# Altium PCB DemetrioGurgel - PCEIoT.PcbDoc (part 2 of 3) (continued)
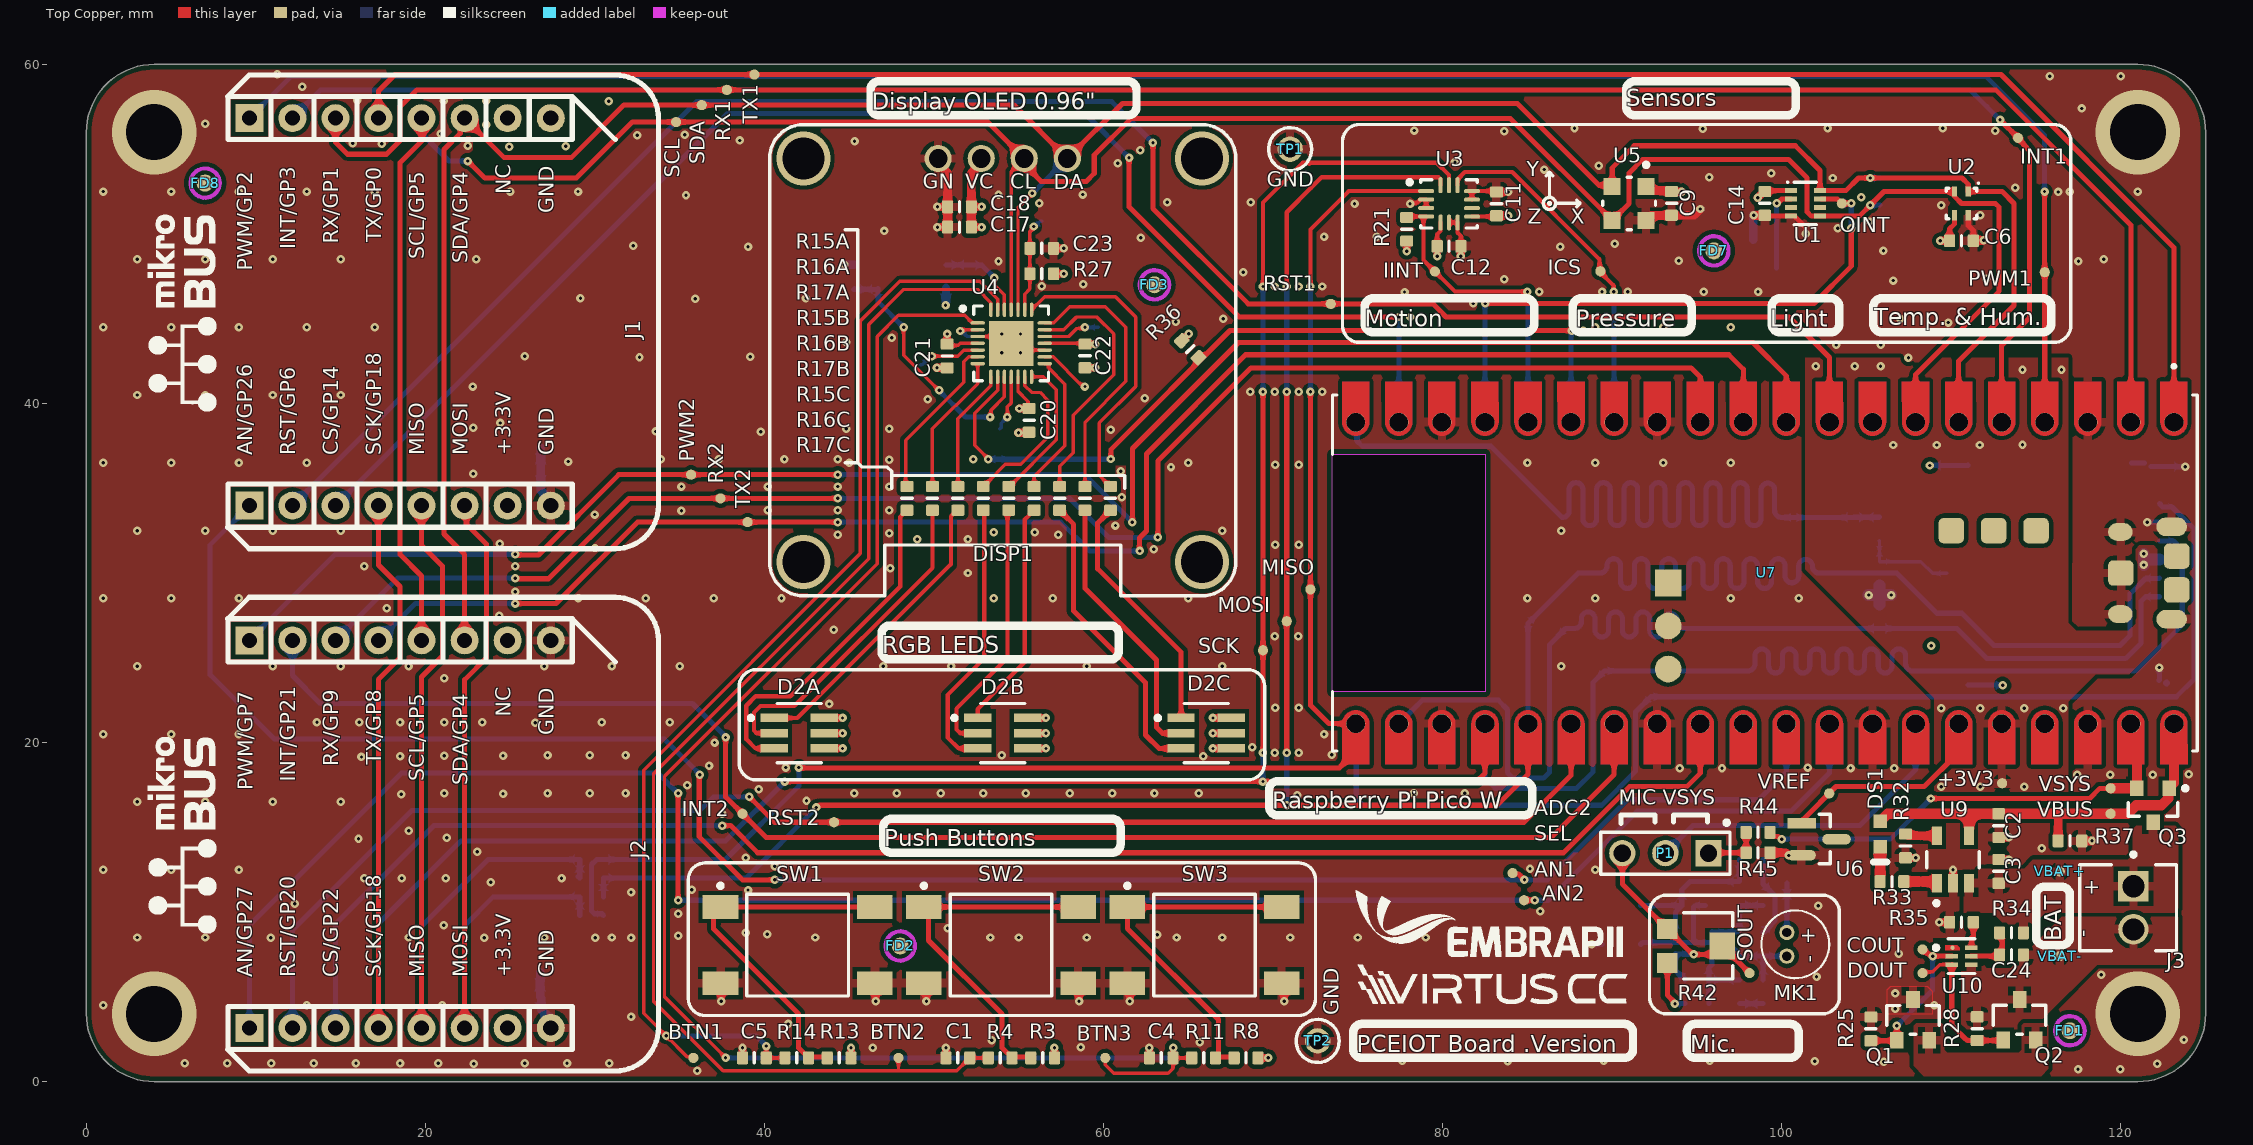
[diagram p0: Top Copper view]
## Nets (pads, with @x,y where several pads share a name; then routed paths per layer and width w, separated by ;. In a path a pad name is that pad's centre, name@x,y a point inside that pad or via, vN(x,y) a via of type N, cw(c..) or ccw(c..) an arc to the next point about the centre after c; other vN are vias at no path point) (continued)
  Top Copper w0.4: v1(37.45,4.75) SW1.3@37.45,5.35 ; C5.1@38.7,1.4 v1(38.7,2) ; v1(46.55,4.75) SW1.4@46.55,5.35 ; v1(49.55,4.75) SW2.3@49.55,5.35 ; v1(50.2,50.4) C17.2@50.8,50.4 ; v1(50.2,51.6) C18.2@50.8,51.6 ; C1.1@50.7,1.4 v1(50.7,2) ; C23.2@57.05,49.15 v1(57.65,49.15) ; v1(58.55,4.75) SW2.4@58.55,5.7 ; C22.2@58.904,42.104 v1(59.504,42.104) ; v1(61.55,4.75) SW3.3@61.55,5.35 ; C4.1@62.7,1.4 v1(62.7,2) ; v1@70.65,4.75 SW3.4@70.65,5.35 ; C11.1@83.175,52.475 v1(83.875,52.475) ; R32.1@107.3,13.2 v1(107.9,13.2) ; v1(109.299,9.4) R35.1@109.9,9.4 ; U9.2@110.1,11.9 v1(110.1,12.5)
  Top Copper w0.5: v1(50.171,42.1) C21.2@50.771,42.1 ; DISP1.1@50.24,54.45 50.24,54.152 50.8,53.592 C17.2@50.8,50.4 ; v1(54.977,38.277) C20.2@55.577,38.277 ; v1(81.075,48.675) C12.1@81.075,49.275 ; U5.4@92,50.8 92.3,51.1 C9.2@93.5,51.1 94.824,51.1 v1(95.195,51.471) ; v1(98.35,51.1) 98.867,51.1 C14.2@98.997,51.1 C14.2@99.047,51.05 ; R45.1@99.3,13.5 100.245,13.5 v1(100.405,13.34) U6.2@101.055,13.34 ; C6.2@111.22,49.52 C6.2@111.3,49.6 111.355,49.6 111.38,49.625 v1(111.925,49.625) ; C3.2@112.801,13.1 v1(113.4,13.1) ; C2.2@112.8,14.4 v1(113.4,14.4) ; R37.2@117.7,14.2 v1(118.3,14.2) ; U7.D@119.985,27.59 U7.D@119.97,27.575 U7.D@120.319,27.575
  Bottom Copper w0.3: v1(88.8,8.1) L2.2@89.4,8.1 ; v1(108.737,36.341) 108.747,36.35 110.973,36.35 SKT1.12@110.989,36.366 ; SKT1.13@110.995,23.4 111.007,23.388 113.012,23.388 v1(113.025,23.375) ; SKT1.11@120.624,36.5 SKT1.11@121.4,36.5 ; v1(121.547,33) SKT1.6@122.275,33 ; SKT1.11@121.781,36.274 v1@123.786,36.274 ; SKT1.14@122.254,23.676 122.275,23.697 v1(122.275,24.425)
  Bottom Copper w0.4: SKT1.14@122.7,23.51 SKT1.14@122.71,23.52
  Bottom Copper w0.5: C27.2@26.762,6.439 C28.2@26.762,5.003 26.843,4.922 26.843,4.229 27.39,3.681 J2.8@27.39,3.37 ; C26.2@26.8,37.4 C25.2@26.8,36.1 26.8,34.871 27.39,34.281 J1.8@27.39,33.97 ; v1(44.7,48.175) R31.2@45.3,48.175 ; v1(50.675,45.8) 50.703,45.828 R30.2@50.703,46.837 ; R20.2@98.31,49.648 98.31,51.14 v1(98.35,51.1)
  other v1: 36.025,0.65 117.475,0.725 119.975,0.725 22.85,1.05 122.15,1.05 5.8,1.075 8.3,1.075 10.9,1.075 13.4,1.075 15.9,1.075 18.5,1.075 20.75,1.075 25.85,1.075 28.35,1.075 30.85,1.075 106.008,1.171 83.825,1.2 101.95,1.2 77.625,1.225 89.487,1.237 95.75,1.225 46.375,2 58.65,2.025 65.665,2.315 53.4,2.451 123.725,2.475 41.4,3.401 32.125,3.825 106.7,4.3 1,4.5 13,4.5 21,4.5 109,4.5 70.65,4.75 106.7,5.2 102.051,6.175 118.85,6.3 106.9,7.55 10.875,8.475 23.475,8.475 30.025,8.475 32.125,8.475 3,8.5 7,8.5 19,8.5 27,8.5 31,8.5 43,8.5 53.325,8.5 55,8.5 59,8.5 64.3,8.5 67,8.5 71,8.5 75,8.5 79,8.5 83,8.5 34.9,8.6 63.174,8.674 63.174,8.674 40.149,8.699 38.9,8.776 50.812,9.037 21.075,9.225 34.9,9.9 85.75,10.05 102.15,10.375 12.3,10.5 32.125,11.175 39.025,11.3 35.7,11.325 23.85,11.75 16.4,12 18.6,12 21.2,12 28.025,12 1,12.5 5,12.5 9,12.5 89,12.5 85.15,12.55 40.6,12.7 38.9,13.2 23.05,13.55 115.325,13.775 16.05,14.325 21.25,14.375 19.025,14.8 37.5,15.8 3,16.5 7,16.5 11,16.5 15,16.5 42.475,16.575 71.425,16.9 18.575,16.95 24.575,16.975 21.1,17 27.2,17 29.7,17 31.8,17 45.3,17 47.8,17 50.4,17 52.9,17 55.4,17 58,17 60.5,17 63,17 65.6,17 78.3,17 81.3,17 69.775,17.1 39.65,17.25 35.45,17.475 117.425,18.1 119.375,18.1 121.875,18.1 124,18.125 93.975,18.475 96.475,18.475 104.055,18.496 106.635,18.492 41.25,18.525 101.525,18.525 36.725,18.625 16.225,19.15 18.5,19.2 65.875,19.2 21.1,19.225 24.575,19.225 27.2,19.25 29.7,19.25 31.8,19.25 54,19.25 73.45,19.275 70.1,19.4 71.5,19.4 68.775,19.725 37.05,20 1,20.5 5,20.5 9,20.5 73,20.5 26.475,21.175 13.6,21.2 16.1,21.2 18.5,21.2 21.1,21.2 23.35,21.2 30.4,21.2 34.4,21.2 70.125,22.05 71.5,22.05 43.825,22.275 21.1,23.8 3,24.5 11,24.5 15,24.5 19,24.5 27,24.5 31,24.5 35,24.5 47,24.5 51,24.5 59,24.5 67,24.5 87,24.5 108.825,25.7 70.1,26.275 71.475,26.275 44.075,26.65 24.35,27.475 17.725,27.925 1,28.5 5,28.5 9,28.5 29,28.5 33,28.5 37,28.5 41,28.5 53.53,28.5 57,28.5 65,28.5 85,28.5 89,28.5 97,28.5 101,28.5 25.3,28.9 52,30 47.423,30.275 16.4,30.4 25.3,30.4 62.95,31.4 30,31.475 70.125,31.675 71.5,31.675 24.375,31.725 49,32 52,32 44.325,32.25 57.325,32.25 47.35,32.35 53.53,32.4 55.93,32.4 3,32.5 7,32.5 11,32.5 15,32.5 67,32.5 87,32.5 60.7,32.8 29.975,33.45 35.1,33.675 40.2,33.7 44.325,33.7 47.35,33.7 61.075,34.475 35.1,35.1 40.2,35.1 44.325,35.1 47.35,35.1 22.825,35.85 61,36 63.975,36.25 123.799,36.261 70.125,36.375 71.5,36.375 1,36.5 5,36.5 9,36.5 13,36.5 45,36.5 65,36.5 85,36.5 89,36.5 93,36.5 97,36.5 28.425,36.575 47.35,36.675 33.875,36.7 37.3,36.7 41.175,36.7 44.325,36.7 52.3,36.7 39.775,38.325 33.575,38.35 60.425,38.45 44.825,38.5 47.35,38.5 22.825,38.575 24.409,38.85 49.625,40.25 62.425,40.3 3,40.5 7,40.5 11,40.5 15,40.5 68.65,40.7 70.1,40.7 71.5,40.7 72.9,40.7 22.8,41 107.475,42.7 32.625,42.725 39.15,42.75 25.85,42.775 54,43 55.1,43 103.225,43.45 105.85,43.475 44.825,43.6 47.5,43.875 54,44.1 55.1,44.1 88.3,44.3 1,44.5 5,44.5 9,44.5 13,44.5 17,44.5 89,44.5 93,44.5 97,44.5 109.825,44.775 64.25,44.825 67.05,45 107,45 78.1,45.1 81.8,45.9 35.918,46.168 42.443,46.193 29.143,46.218 77.75,46.575 85.7,46.6 89.4,46.6 90.925,46.6 95.4,46.6 98.6,46.6 70.1,46.9 71.5,46.9 72.9,46.9 56.35,46.925 58.8,47.025 106.57,47.252 83.625,47.325 112.075,47.35 68.245,47.738 53.8,48.4 117.5,48.4 93.913,48.419 3,48.5 7,48.5 11,48.5 15,48.5 23,48.5 119,48.5 106,49 39.025,49.25 86.925,49.25 32.25,49.3 90.145,49.411 62.2,49.775 73,49.825 76.1,49.825 47.05,50.175 103.297,50.325 105.175,50.725 111.7,51.1 109.4,51.7 74.8,51.775 56.2,51.8 63.75,51.875 68.675,51.875 104.7,52.175 35.368,52.293 53.8,52.325 58.775,52.325 116.3,52.475 1,52.5 5,52.5 9,52.5 13,52.5 17,52.5 25,52.5 29,52.5 117,52.5 121,52.5 113.775,52.725 102.997,53.3 95.714,53.351 99.37,53.581 86,53.8 89.2,54.025 60.825,54.175 80.725,54.225 62.165,54.941 24.95,55.15 28.275,55.175 22.5,55.2 17.425,55.325 15.7,55.35 45.309,55.463 38.534,55.513 32.5,55.825 35.3,55.85 20.9,55.9 83.633,56.067 112.6,56.075 78.325,56.1 95.35,56.2 87.775,56.225 102.7,56.225 109.5,56.225 23.575,56.45 7,56.5 117.7,57.4 30.8,57.825 21.075,57.85 23.575,57.85 15.975,57.875 12.725,58.675 115.8,59.3 120,59.3 11.25,59.425
  other v2: 4,4 121,4 4,56 121,56
GP0/MB1_TX: J1.13 TX1.1 U7.1 | length 122.4
  Top Copper w0.3: J1.13@17.23,56.83 17.23,58.43 18.2,59.4 TX1.1@39.4,59.4 39.746,59.4 112.925,59.4 123.132,49.193 U7.1@123.132,38.893
GP1/MB1_RX: J1.14 RX1.1 U7.2 | length 125.1
  Top Copper w0.3: J1.14@14.69,56.83 14.69,55.41 15.4,54.7 17.7,54.7 18.5,55.5 18.5,57.5 19.5,58.5 RX1.1@37.778,58.5 ; RX1.1@37.981,58.5 112.625,58.5 120.592,50.533 U7.2@120.592,38.893
GP2/MB1_PWM: J1.16 PWM1.1 U7.4 | length 125.3
  Top Copper w0.3: v1(115.5,52.5) 115.506,52.494 115.506,47.749 PWM1.1@115.512,47.743 U7.4@115.512,38.893
  Bottom Copper w0.3: J1.16@9.61,56.83 12.08,59.3 112.025,59.3 115.5,55.825 v1(115.5,52.5)
GP3/MB1_INT: INT1.1 J1.15 U7.5 | length 121.4
  Top Copper w0.3: v1(112.875,56.725) INT1.1@113.934,55.666 114.35,55.201 114.625,54.894 114.625,45.075 112.972,43.422 U7.5@112.972,38.893
  Bottom Copper w0.3: J1.15@12.15,56.83 13.82,58.5 111.1,58.5 112.093,57.507 v1(112.875,56.725)
GP4/I2C0_SDA: DISP1.4 J1.11 J2.11 R23.1 SDA.1 U1.8 U2.1 U4.24 U5.2 U7.6 | length 159.7
  Top Copper w0.2: U4.24@54.95,45.525 54.95,51.54 55.8,52.39 v1(55.8,52.4)
  Top Copper w0.3: J2.11@22.31,26.03 22.31,31.09 21.1,32.3 21.1,54.982 22.052,55.934 22.052,56.572 J1.11@22.31,56.83 24.64,54.5 28.6,54.5 31.7,57.6 SDA.1@36.294,57.6 54.71,57.6 DISP1.4@57.86,54.45 61.11,57.7 84.4,57.7 89.226,52.874 89.926,52.874 U5.2@90,52.8 90,53.9 91.3,55.2 100.797,55.2 102.257,53.74 U1.8@102.257,52.55 ; U1.8@102.357,52.55 103.775,52.55 104.525,53.3 v1(105.225,53.3) 110.625,53.3 111,52.925 U2.1@111,52.5 113,52.5 113.7,51.8 113.7,45.775 110.432,42.507 U7.6@110.432,38.893
  Bottom Copper w0.3: v1(55.8,52.4) 55.805,52.4 57.855,54.45 DISP1.4@57.86,54.45 ; v1(105.225,53.3) R23.1@105.797,53.3 ; U7.6@110.4,38.925 U7.6@110.432,38.893
GP5/I2C0_SCL: DISP1.3 J1.12 J2.12 R22.1 SCL.1 U1.5 U2.2 U4.25 U5.3 U7.7 | length 165.4
  Top Copper w0.2: U4.25@54.55,45.525 54.55,53.68 DISP1.3@55.32,54.45
  Top Copper w0.3: J2.12@19.77,26.03 19.77,29.83 18.5,31.1 18.5,54.2 19.8,55.5 19.8,56.8 J1.12@19.77,56.83 ; v1(22.5,54.3) 23.5,53.3 28.9,53.3 32.2,56.6 SCL.1@34.783,56.6 53.17,56.6 DISP1.3@55.32,54.45 55.32,54.098 56.318,53.1 58.975,53.1 59.45,53.575 59.45,54.65 61.6,56.8 84,56.8 U5.3@90,50.8 91,51.8 91,53.6 91.8,54.4 100.397,54.4 101.497,53.3 101.497,51.3 101.747,51.05 102.357,51.05 104.575,51.05 106.025,52.5 U2.2@110.2,52.5 110.2,52.2 110.6,51.8 112.6,51.8 112.825,51.575 112.825,46.625 107.892,41.692 U7.7@107.892,38.893
  Bottom Copper w0.3: J1.12@19.77,56.83 19.919,56.681 19.919,55.775 21.394,54.3 v1(22.5,54.3) ; v1(105.225,51.7) R22.1@105.797,51.7
GP6/MB1_RST: J1.2 RST1.1 U7.9 | length 112.9
  Top Copper w0.3: v1(62.911,55.367) 62.911,51.489 68.525,45.875 79.425,45.875 80.2,45.1 100.425,45.1 102.812,42.713 U7.9@102.812,38.893
  Bottom Copper w0.3: J1.2@12.15,33.97 35.98,57.8 60.478,57.8 v1(62.911,55.367)
GP7/MB2_PWM: J2.16 PWM2.1 U7.10 | length 106.4
  Top Copper w0.3: v1(25.3,31.1) 25.338,31.062 26.662,31.062 31.4,35.8 v1(44.325,35.8) ; v1(61.7,33) 61.7,37.35 67.95,43.6 98.3,43.6 100.272,41.628 U7.10@100.272,38.893
  Bottom Copper w0.3: J2.16@9.61,26.03 14.68,31.1 v1(25.3,31.1) ; v1(44.325,35.8) 58.9,35.8 v1(61.7,33)
GP8/MB2_TX: J2.13 TX2.1 U7.11 | length 95.5
  Top Copper w0.3: v1(25.3,28.2) 27.7,28.2 32.5,33 v1(44.325,33) ; v1(62.125,31.3) 62.113,31.312 62.113,32.064 62.525,32.476 62.525,37.025 68.375,42.875 96.875,42.875 97.732,42.018 U7.11@97.732,38.893
  Bottom Copper w0.3: J2.13@17.23,26.03 19.4,28.2 v1(25.3,28.2) ; v1(44.325,33) 57.475,33 59.175,31.3 v1(62.125,31.3)
GP9/MB2_RX: J2.14 RX2.1 U7.12 | length 94.6
  Top Copper w0.3: v1(25.3,29.7) 25.338,29.662 27.262,29.662 32,34.4 v1(44.325,34.4) ; v1(63.2,32.1) 63.2,36.6 68.7,42.1 94.65,42.1 95.2,41.55 95.2,38.9 U7.12@95.192,38.893
  Bottom Copper w0.3: J2.14@14.69,26.03 18.36,29.7 v1(25.3,29.7) ; v1(44.325,34.4) 58,34.4 60.3,32.1 v1(63.2,32.1) ; U7.12@95.192,38.893 U7.12@95.2,38.9
GP10/MOT_CSn: ICS.1 U3.12 U7.14 | length 21
  Top Copper w0.25: U3.12@80.875,52.875 80.875,53.225 81.3,53.65 84.1,53.65 89.249,48.501 89.249,47.8 90.083,46.967 90.083,46.617 v1(90.1,46.6)
  Bottom Copper w0.3: U7.14@90.112,38.893 v1@90.112,46.588
GP11/SX_INTn: R36.1 SINT.1 U4.9 U7.15 | length 49.1
  Top Copper w0.2: v1(53.2,36.7) 53.2,36.741 52.4,37.541 52.4,39.425 53.75,40.775 U4.9@53.75,41.575
  Top Copper w0.3: v1(60.425,36.725) 60.425,37.275 67.45,44.3 v1(87.6,44.3)
  Bottom Copper w0.3: v1(53.2,36.7) 53.212,36.712 SINT.1@53.795,36.712 60.413,36.712 v1(60.425,36.725) ; U7.15@87.572,38.893 87.572,44.272 v1(87.6,44.3)
GP12/ICM_INT1: IINT.1 R21.2 U3.4 U7.16 | length 18.5
  Top Copper w0.25: R21.2@77.825,51.025 U3.4@78.875,51.025 ; v1(85,46.6) 80.725,46.6 79.9,47.425 78.875,48.45 U3.4@78.875,51.025 ; U3.4@78.875,51.025 U3.4@79.025,51.025 U3.4@78.875,51.025
  Bottom Copper w0.3: v1(85,46.6) 85.032,46.568 U7.16@85.032,38.893
GP13/OPT_INT: OINT.1 R12.2 U1.7 U7.17 | length 35.8
  Top Copper w0.3: v1(82.5,45.9) 101.9,45.9 104.097,48.097 v1(104.097,50.325) ; U1.7@102.357,52.05 103.293,52.05 OINT.1@103.543,51.8 v1(104.097,51.8)
  Bottom Copper w0.3: U7.17@82.492,38.893 82.492,45.892 v1(82.5,45.9) ; R12.2@103.397,51.8 v1(104.097,51.8) v1(104.097,50.325)
GP14/MB1_CS: J1.3 U7.19 | length 85.2
  Top Copper w0.3: v1(61.5,54.5) 61.5,51.6 68,45.1 v1(77.4,45.1)
  Bottom Copper w0.3: J1.3@14.69,33.97 37.82,57.1 58.9,57.1 v1(61.5,54.5) ; v1(77.4,45.1) 77.412,45.088 U7.19@77.412,38.893
GP16/SPI0_RX: MISO.1 NT4.1 R5.1 R7.1 U3.1 U7.21 | length 92.6
  Top Copper w0.25: v1(72.2,46.9) 72.2,50.261 74.464,52.525 U3.1@79.025,52.525
  Top Copper w0.3: v1(42.025,18.525) 42.05,18.5 73.9,18.5 74.872,19.472 U7.21@74.872,21.113 73.287,21.113 72.2,22.2 v1(72.2,40.7)
  Bottom Copper w0.3: R7.1@30.5,9.8 30.4,9.9 29.976,9.9 29.8,10.076 29.8,12.8 30.1,13.1 R5.1@30.5,13.1 37.7,13.1 42.025,17.425 v1(42.025,18.525) ; v1(72.2,40.7) v1(72.2,46.9)
GP17/SPI0_CSn: NT1.1 U7.22
GP18/SPI0_SCK: J1.4 J2.4 NT2.1 SCK.1 U3.13 U7.24 | length 156.4
  Top Copper w0.25: v1(69.4,46.9) 69.4,51.85 71.751,54.201 72.044,54.201 72.122,54.122 ; 72.2,54.2 79.65,54.2 80.375,53.475 U3.13@80.375,52.875
  Top Copper w0.3: J2.4@17.23,3.17 17.23,23.73 18.5,25 18.5,29.2 17.23,30.47 J1.4@17.23,33.97 ; v1(41.2,17.7) v1(69.4,17.7) 82,17.7 82.492,18.192 U7.24@82.492,21.113 ; v1(69.4,19.4) 69.4,25.22 v1(69.4,40.7)
  Bottom Copper w0.3: J2.4@17.23,3.57 17.23,9.33 22.1,14.2 37.7,14.2 v1(41.2,17.7) ; v1(69.4,17.7) v1(69.4,19.4) ; v1(69.4,40.7) v1(69.4,46.9)
GP19/SPI0_TX: MOSI.1 NT3.1 R6.1 R9.1 U3.14 U7.25 | length 106.5
  Top Copper w0.25: v1(70.8,46.9) 70.8,51.281 72.249,52.729 72.869,53.35 79.75,53.35 79.875,53.225 U3.14@79.875,52.875
  Top Copper w0.3: v1(43.048,16.171) 43.102,16.171 43.231,16.3 v1(70.8,16.3) 83.2,16.3 85.032,18.132 U7.25@85.032,21.113 ; v1(70.8,19.4) 70.8,26.894 v1(70.8,40.7)
  Bottom Copper w0.3: R9.1@30.5,10.9 R6.1@30.5,12 38.9,12 43.048,16.148 v1(43.048,16.171) ; v1(70.8,16.3) v1(70.8,19.4) ; v1(70.8,40.7) v1(70.8,46.9) ; NT3.1@85.027,21.118 U7.25@85.032,21.113
GP20/MB2_RST: J2.2 RST2.1 U7.26 | length 88.9
  Top Copper w0.3: v1(39.1,16.8) 40.6,15.3 RST2.1@44.1,15.3 84.8,15.3 87.572,18.072 U7.26@87.572,21.113
  Bottom Copper w0.3: J2.2@12.15,3.57 12.15,8.95 19.2,16 36.2,16 37,16.8 v1(39.1,16.8)
GP21/MB2_INT: INT2.1 J2.15 U7.27 | length 90.6
  Top Copper w0.3: v1(37.7,20.3) 37.7,16.8 INT2.1@38.7,15.8 40.1,14.4 86.4,14.4 90.112,18.112 U7.27@90.112,21.113
  Bottom Copper w0.3: J2.15@12.15,26.03 12.15,23.95 13.8,22.3 35.754,22.3 37.7,20.354 v1(37.7,20.3)
GP22/MB2_CS: J2.3 U7.29 | length 94.2
  Top Copper w0.3: v1(37.5,15.1) 38,15.1 39.6,13.5 87.125,13.5 91.025,17.4 94.4,17.4 95.192,18.192 U7.29@95.192,21.113
  Bottom Copper w0.3: J2.3@14.69,3.57 14.69,9.29 20.5,15.1 v1(37.5,15.1)
GP26/MB1_ADC: AN1.1 J1.1 U7.31 | length 119.5
  Top Copper w0.3: v1(36.175,18.1) 36.15,18.075 36.15,14.45 38.7,11.9 v1(40.6,11.9) ; AN1.1@84.124,12.3 84.181,12.243 84.481,12.243 v1(84.824,11.9) ; 100.272,19.072 U7.31@100.272,21.113
  Bottom Copper w0.3: J1.1@9.61,33.97 7.3,31.66 7.3,24 11.1,20.2 34.1,20.2 36.175,18.125 v1(36.175,18.1) ; v1(40.6,11.9) v1(84.824,11.9) 86.175,11.9 90.9,16.625 98.625,16.625 100.272,18.272 U7.31@100.272,21.113
GP27/MB2_ADC: AN2.1 J2.1 U7.32 | length 117.4
  Top Copper w0.3: v1(34.9,10.7) v1(34.9,17) ; AN2.1@84.8,10.7 v1(85.424,10.7) ; 102.812,19.742 U7.32@102.812,21.113
  Bottom Copper w0.3: J2.1@9.61,3.57 9.61,9.21 18.6,18.2 33.7,18.2 v1(34.9,17) ; v1(34.9,10.7) v1(85.424,10.7) 86.225,10.7 91.475,15.95 100.55,15.95 102.812,18.212 U7.32@102.812,21.113
GP28/ADC2: P1.2 U7.34 | length 19.5
  Bottom Copper w0.3: P1.2@93.135,13.475 94.76,15.1 104.6,15.1 107.892,18.392 U7.34@107.892,21.113
IO3: IO3.1 U4.2 | length 1.8
  Top Copper w0.2: v1(51.55,44.275) 51.631,44.275 51.706,44.35 U4.2@52.575,44.35
  Bottom Copper w0.2: v1(51.55,44.275) 51.607,44.218 51.699,44.218 51.967,43.95 IO3.1@52.075,43.95 IO3.1@51.956,43.95
IO4: IO4.1 U4.5 | length 3.7
  Top Copper w0.2: v1(49.869,42.789) 51.389,42.789 51.75,43.15 U4.5@52.575,43.15
  Bottom Copper w0.2: IO4.1@49.225,42.275 49.29,42.275 49.804,42.789 v1(49.869,42.789)
IO11: IO11.1 U4.16 | length 3.1
  Top Copper w0.2: U4.16@56.525,42.75 57.02,42.75 58.693,41.077 58.823,41.077 v1(58.9,41)
IO12: IO12.1 U4.19 | length 3.4
  Top Copper w0.2: U4.19@56.525,43.95 57.95,43.95 58.423,44.423 58.823,44.423 v1(58.9,44.5)
  Bottom Copper w0.2: v1(58.9,44.5) 58.909,44.491 59.687,44.491 IO12.1@59.696,44.483
LED_BA: R17A.2 U4.8 | length 7.3
  Top Copper w0.2: R17A.2@51.404,35.104 51.404,39.104 53.35,41.05 U4.8@53.35,41.575
LED_BB: R17B.2 U4.15 | length 8.6
  Top Copper w0.2: R17B.2@55.904,35.104 55.904,35.704 57.704,37.504 57.704,41.146 56.758,42.092 56.758,42.35 U4.15@56.513,42.35
LED_BC: R17C.2 U4.22 | length 18.1
  Top Copper w0.2: U4.22@55.75,45.525 56.525,46.3 60.7,46.3 61.9,45.1 61.9,41 59.75,38.85 59.75,35.757 R17C.2@60.404,35.104
LED_GA: R16A.2 U4.7 | length 8.4
  Top Copper w0.2: R16A.2@49.904,35.104 49.904,38.504 52.575,41.175 U4.7@52.575,42.35
LED_GB: R16B.2 U4.14 | length 8.7
  Top Copper w0.2: R16B.2@54.404,35.104 54.453,35.104 57.204,37.854 57.204,40.804 56.432,41.575 U4.14@55.75,41.575
LED_GC: R16C.2 U4.21 | length 16.1
  Top Copper w0.2: U4.21@56.525,44.75 57.05,44.75 58,45.7 60.1,45.7 61.3,44.5 61.3,41.3 58.904,38.904 R16C.2@58.904,35.104
LED_RA: R15A.2 U4.6 | length 9.8
  Top Copper w0.2: R15A.2@48.404,35.104 48.319,35.189 48.319,37.819 51.75,41.25 51.75,42.45 52.05,42.75 U4.6@52.575,42.75
LED_RB: R15B.2 U4.13 | length 9.5
  Top Copper w0.2: R15B.2@52.904,35.104 52.953,35.104 53.184,35.334 53.184,35.384 54.204,36.404 55.104,36.404 56.704,38.004 56.704,40.196 56.25,40.65 55.75,40.65 55.35,41.05 U4.13@55.35,41.575
LED_RC: R15C.2 U4.20 | length 15.1
  Top Copper w0.2: U4.20@56.525,44.35 57.65,44.35 58.4,45.1 59.6,45.1 60.6,44.1 60.6,41.7 58.204,39.304 58.204,37.104 57.404,36.304 R15C.2@57.404,35.104
MB1_MISO: J1.5 J2.5 R5.2 R6.2 | length 50
  Top Copper w0.3: J2.5@19.77,3.17 19.77,23.87 21,25.1 21,30.4 19.77,31.63 J1.5@19.77,33.97
  Bottom Copper w0.3: J2.5@19.77,3.17 19.77,9.17 23.7,13.1 R5.2@29.1,13.1 R6.2@29.1,12 R6.2@29,12.1
MB1_MOSI: J1.6 J2.6 R7.2 R9.2 | length 46.5
  Top Copper w0.3: J2.6@22.31,3.17 22.31,23.71 23.6,25 23.6,31.7 22.422,32.878 22.422,33.858 J1.6@22.31,33.97
  Bottom Copper w0.3: J2.6@22.31,3.17 22.31,9.21 24,10.9 R9.2@29.1,10.9 R7.2@29.1,9.8
MIC_OUT: C30.2 P1.3 R42.1 R42.2 SOUT.1 U8.4 | length 14.9
  Top Copper w0.3: P1.3@90.595,13.475 90.595,11.655 R42.1@93.25,9 94.75,7.5 96,7.5 R42.2@96.5,8 ; R42.2@96.5,8.05 R42.2@96.5,8 ; SOUT.1@98.1,6.4 R42.2@96.5,8
  Bottom Copper w0.3: C30.2@94.3,6 94.3,6.05 94.12,6.23 94.07,6.23 93.725,6.575 U8.4@93.725,7.55 93.75,7.525 94.775,7.525 v1(94.8,7.5)
NetC7_2: C7.2 R1.1 R38.2 | length 4.9
  Bottom Copper w0.3: C7.2@98.9,8.8 98.95,8.8 99.18,9.03 99.18,9.08 99.6,9.5 99.6,10.95 98.9,11.65 R38.2@98.9,11.7 R1.1@98.9,13.1
NetC23_1: C23.1 R27.1 SRST.1 U4.23 | length 5.7
  Top Copper w0.2: U4.23@55.35,45.525 55.35,46.451 55.65,46.751 R27.1@55.65,47.65 C23.1@55.65,49.15 55.65,50.124 55.884,50.357 v1(55.884,50.438)
  Bottom Copper w0.2: v1(55.884,50.438) 55.961,50.438 56.273,50.75 SRST.1@56.35,50.75
NetC24_2: C24.2 R34.1 U10.5 | length 2.8
  Top Copper w0.3: U10.5@111.175,7.4 113,7.4 R34.1@113,8.4
NetC29_1: C29.1 R39.1 R40.2 U8.1 | length 4.6
  Bottom Copper w0.3: U8.1@95.875,8.85 95.9,8.825 97.475,8.825 R40.2@97.5,8.8 R39.1@97.5,10.4 C29.1@98.9,10.4
NetC29_2: C29.2 MK1.P R38.1 | length 2.9
  Bottom Copper w0.3: MK1.P@100.3,8.8 C29.2@100.3,10.4 R38.1@100.3,11.7
NetC30_1: C30.1 R41.2 R43.1 U8.3 | length 4.8
  Bottom Copper w0.3: R43.1@95.7,4.6 95.7,6.7 95.875,6.875 U8.3@95.875,7.55 ; C30.1@95.7,6 R41.2@97.5,6
NetC31_2: C31.2 R41.1 | length 1.4
  Bottom Copper w0.3: R41.1@97.5,4.6 C31.2@98.9,4.6
NetCOUT_1: COUT.1 Q1.1 R25.2 U10.2 | length 9.3
  Top Copper w0.3: R25.2@105.254,2.41 106.759,2.41 Q1.1@106.79,2.441 v1(106.79,3.29) ; COUT.1@108.3,7.8 108.381,7.8 108.743,7.438 108.862,7.438 v1(108.9,7.4) U10.2@110.025,7.4
  Bottom Copper w0.3: v1(106.79,3.29) 108.9,5.4 v1(108.9,7.4)
NetD2A_1: D2A.1 R17A.1 | length 17.6
  Top Copper w0.254: D2A.1@40.575,21.45 41.925,21.45 43.6,23.125 51,30.525 51,33.35 51.354,33.704 R17A.1@51.404,33.704
NetD2A_2: D2A.2 R16A.1 | length 19.8
  Top Copper w0.254: D2A.2@40.575,20.55 39.539,20.55 39.379,20.71 39.379,21.766 39.763,22.15 41.75,22.15 49.904,30.304 R16A.1@49.904,33.704
NetD2A_3: D2A.3 R15A.1 | length 20.5
  Top Copper w0.254: D2A.3@40.575,19.65 39.475,19.65 38.925,20.2 38.925,22.175 39.475,22.725 41.525,22.725 48,29.2 48,33.3 48.151,33.451 48.151,33.5 48.354,33.704 R15A.1@48.404,33.704
NetD2B_1: D2B.1 R17B.1 | length 13.7
  Top Copper w0.254: D2B.1@52.575,21.45 52.575,21.972 55.353,24.75 55.353,33.153 55.651,33.451 55.651,33.5 55.854,33.704 R17B.1@55.904,33.704
NetD2B_2: D2B.2 R16B.1 | length 15.5
  Top Copper w0.254: D2B.2@52.575,20.55 51.55,20.55 51.325,20.775 51.325,22 54.33,25.005 54.33,33.629 R16B.1@54.404,33.704
NetD2B_3: D2B.3 R15B.1 | length 16.4
  Top Copper w0.254: D2B.3@52.575,19.65 51.45,19.65 50.8,20.3 50.8,22.8 52.953,24.953 52.953,33.654 R15B.1@52.904,33.704
NetD2C_1: D2C.1 R17C.1 | length 14.6
  Top Copper w0.3: R17C.1@60.404,33.704 60.354,33.704 60.174,33.523 60.174,33.474 59.65,32.95 59.65,30.25 64.575,25.325 D2C.1@64.575,21.45
NetD2C_2: D2C.2 R16C.1 | length 16.1
  Top Copper w0.3: R16C.1@58.904,33.704 58.904,29.096 63.125,24.875 63.125,20.9 63.475,20.55 D2C.2@64.575,20.55
NetD2C_3: D2C.3 R15C.1 | length 17.8
  Top Copper w0.3: R15C.1@57.404,33.704 57.453,33.704 57.634,33.523 57.634,33.474 58.236,32.871 58.236,27.764 62.475,23.525 62.475,20.45 63.275,19.65 D2C.3@64.575,19.65
NetDOUT_1: DOUT.1 Q2.1 R28.2 U10.3 | length 8.9
  Top Copper w0.2: DOUT.1@108.3,6.4 108.375,6.475 108.9,6.475 109.325,6.9 U10.3@110.025,6.9
  Top Copper w0.3: U10.3@110.025,6.9 110.025,3.447 ccw(c110.325,3.447) 110.113,3.235 110.835,2.512 ccw(c111.047,2.725) 111.047,2.425 R28.2@111.525,2.425 113.05,2.425 Q2.1@113.075,2.45
NetDS1_2: DS1.2 R33.2 | length 2.1
  Top Copper w0.6: R33.2@105.8,11.8 DS1.2@105.8,13.85
NetOSCIO_1: OSCIO.1 U4.11 | length 3.4
  Top Copper w0.2: v1(54.325,39.2) 54.325,39.803 54.55,40.028 U4.11@54.55,41.575
  Bottom Copper w0.2: OSCIO.1@53.875,38.5 53.952,38.577 53.952,38.827 v1(54.325,39.2)
NetQ1_2: Q1.2 Q2.2
NetR3_1: R3.1 R4.1 SW2.1 SW2.2 | length 21.1
  Top Copper w0.3: SW2.1@49.4,10.1 49.674,9.826 49.674,8.326 54,4 54,2 54.37,1.63 54.42,1.63 54.6,1.45 R4.1@54.6,1.4 ; SW2.1@49.4,10.3 SW2.2@58.5,10.3 ; R4.1@54.65,1.45 R3.1@55.75,1.45
NetR8_1: R8.1 R11.1 SW3.1 SW3.2 | length 21.3
  Top Copper w0.3: R11.1@66.6,1.4 66.775,1.575 66.775,3.658 61.4,9.033 SW3.1@61.4,10.3 SW3.2@70.5,10.3 ; R11.1@66.775,1.45 R8.1@67.75,1.45
NetR10_2: R10.2 R20.1 U1.2 | length 4.7
  Top Copper w0.3: v1(99.697,51.8) 99.751,51.8 100.001,52.05 U1.2@100.537,52.05
  Bottom Copper w0.3: R10.2@99.697,48 v1(99.697,51.8)
NetR13_1: R13.1 R14.1 SW1.1 SW1.2 | length 21.7
  Top Copper w0.3: SW1.1@37.7,10.3 SW1.2@46.5,10.3 ; SW1.1@37.75,10.3 SW1.1@37.4,10.3 37,9.9 37,9 42,4 42,2 42.37,1.63 42.42,1.63 42.6,1.45 R14.1@42.6,1.4 ; R14.1@42.65,1.45 R13.1@43.75,1.45
NetR18_1: R18.1 R26.2 SKT1.9 | length 5.5
  Bottom Copper w0.2: R26.2@105.75,31.9 105.762,31.887 105.762,30.688 R18.1@105.775,30.675 108.211,30.675 108.911,29.975 SKT1.9@109.735,29.975
NetR32_2: R32.2 U9.5 | length 1.9
  Top Copper w0.5: R32.2@107.3,14.6 107.35,14.6 107.45,14.5 U9.5@109.15,14.5
NetR33_1: R33.1 U9.1 | length 2
  Top Copper w0.6: R33.1@107.2,11.8 109.15,11.8 U9.1@109.15,11.7
NetR35_2: R35.2 U10.6 | length 1.6
  Top Copper w0.3: U10.6@111.175,7.9 111.2,7.925 111.2,8.5 111.3,8.6 R35.2@111.3,9.4
NetR42_3: R42.3 R43.2 | length 3.2
  Top Copper w0.3: R42.3@93.25,7 93.25,5.104 93.7,4.654 v1(93.7,4.6)
  Bottom Copper w0.3: v1(93.7,4.6) R43.2@94.3,4.6
NetSKT1_1: SKT1.1
NetSKT1_8: SKT1.8
SX15_ADDR0: R19.2 R30.1 U4.26 | length 5.3
  Top Copper w0.2: v1(53.55,47.425) 53.56,47.415 53.56,47.007 54.15,46.417 U4.26@54.15,45.525
  Bottom Copper w0.3: R30.1@50.7,48.175 R19.2@52.1,48.175 52.119,48.156 52.819,48.156 v1@53.531,47.444
SX15_ADDR1: R24.2 R31.1 U4.10 | length 15.3
  Top Copper w0.2: v1(48.2,44.5) 48.2,42.85 50.275,40.775 v1(50.3,40.775) ; v1(53.3,39.2) 53.357,39.257 53.357,39.607 54.15,40.4 U4.10@54.15,41.575
  Bottom Copper w0.3: R31.1@45.258,46.735 45.3,46.735 R24.2@46.7,46.735 ; R24.2@46.7,46.775 46.7,46 v1(48.2,44.5) ; v1(50.3,40.775) 50.3,40.75 51.85,39.2 v1(53.3,39.2)
VBAT+: C3.1 J3.1 Q3.3 R34.2 U9.3 VBAT+.1
VBAT-: C24.1 J3.2 Q2.3 R28.1 U10.4 VBAT-.1
VBUS: C2.1 DS1.1 Q3.1 R37.1 U7.40 U9.4 VBUS.1 | length 25
  Top Copper w0.5: R37.1@116.3,14.2 116.3,15.8
  Top Copper w0.6: DS1.1@105.8,15.35 106.25,15.8 111.05,15.8 ; U9.4@111.05,14.5 111.05,15.8 ; U7.40@123.132,21.113 123.132,17.632 122.85,17.35 Q3.1@122.85,17.3 122.8,17.25 122.8,16.701 122.399,16.3 120.9,16.3 120.4,15.8 VBUS.1@119.4,15.8 116.3,15.8 113.2,15.8 111.05,15.8
VREF: U6.1 U7.35 VREF.1 | length 12.9
  Top Copper w0.3: U6.1@100.943,15.143 100.943,15.148 101.285,15.49 101.29,15.49 103.201,17.401 107.834,17.401 108.401,17.401 110.3,19.3 110.3,20.98 U7.35@110.432,21.113
VSYS: Q3.2 R44.2 U7.39 VSYS.1 | length 27.1
  Top Copper w0.3: R44.2@99.3,14.7 99.3,14.65 99.48,14.47 99.776,14.47 99.946,14.3 v1(100,14.3) ; v1(108.8,16.7) 118.162,16.7 118.762,17.3 VSYS.1@119.4,17.3
  Top Copper w0.6: VSYS.1@119.4,17.3 120.925,17.3 Q3.2@120.95,17.275 ; U7.39@120.592,21.113 120.95,20.755 Q3.2@120.95,17.3
  Bottom Copper w0.3: v1(100,14.3) 106.4,14.3 v1(108.8,16.7)
VSYS_SENSE: P1.1 R44.1 R45.2 | length 4
  Top Copper w0.3: P1.1@95.1,13.52 95.08,13.5 R45.2@97.9,13.5 R44.1@97.9,14.7
pads on no net: FD1.0 FD2.0 FD3.0 FD4.0 FD5.0 FD6.0 FD7.0 FD8.0 J1.10 J2.10 U1.3 U1.6 U3.9 U6.3 U7.30 U7.37 U7.E U7.G U7.TP2 U7.TP3 U7.TP4 U7.TP5 U7.TP6 U10.1
copper on no net:
  other v3: 42.3,30.65 65.8,30.65 42.3,54.45 65.8,54.45

## Polygon pours and split planes (outlines as drawn)
+3V3 on Bottom Copper "Bottom Copper-+3V3" (solid, pour order 25): 23.4,33.1 24.5,32 28.5,32 33.9,37.4 58.65,37.4 62.077,40.827 62.798,40.827 67.579,36.046 67.579,23.254 66.05,21.725 44.475,21.725 44.275,21.525 44.275,19.575 44.475,19.375 68.025,19.375 69.5,20.85 69.5,38.025 68.975,38.55 68.975,47.4 95.6,47.4 101.4,41.6 101.4,36.775 116.9,36.775 116.9,51.3 110.2,58 91,58 39.425,58 23.4,41.975
GND on Bottom Copper "g" (solid, remove dead copper, pour order 30): 0,0 125,0 125,60 0,60
+3V3 on Bottom Copper "+3V3_L04_P029" (solid, pour order 29): 23.4,0 23.4,6.4 24.5,7.5 85.9,7.5 86.8,8.4 86.8,10.2 88.3,11.7 90.9,11.7 90.9,9.2 90.9,3.6 94.1,3.6 109,18.5 109,22.799 116.9,22.8 116.9,15.559 105.9,4.543 105.9,0.045 67.5,0
GND on Top Copper "GND_L01_P028" (solid, remove dead copper, pour order 28): 0,0 125,0 125,60 0,60
+3V3 on Top Copper "+3V3_L01_P024" (solid, pour order 24): 109,16.4 109,22.625 101.4,30.225 101.4,42.7 116.9,42.7 116.9,34.05 116.898,27.052 117.375,26.581 120.48,26.627 120.866,27.018 120.884,31.409 121.101,31.625 121.93,31.625 122.152,31.402 122.147,26.873 122.157,25.688 120.505,24.025 118.526,24.027 116.9,22.398 116.9,16.4
VBAT+ on Top Copper "VBAT+_L01_P019" (solid, pour order 19): 110.725,12.55 114.289,12.55 114.8,13.1 120.4,13.1 120.7,13.4 120.7,14.9 120.9,15.1 123.2,15.1 123.4,14.9 123.4,10.225 123.15,9.975 115.55,9.975 114.65,9.075 114.65,8.05 114.15,8.05 114.15,9.275 113.141,9.275 112.442,9.975 110.725,9.975
GND on Top Copper "GND_L01_P026" (solid, pour order 26): 108.9,4 108.9,5.3 108.6,5.6 106.4,5.6 106.2,5.4 106.2,4
NetQ1_2 on Top Copper "NETQ1_2_L01_P018" (solid, pour order 18): 107.775,3.3 107.775,0.925 108.375,0.325 115.3,0.325 115.722,0.747 115.722,3.316 115.588,3.45 114.274,3.45 114.15,3.326 114.15,1.875 113.975,1.7 109.75,1.7 109.575,1.875 109.575,3.3 109.425,3.45 107.925,3.45
VBAT- on Top Copper "VBAT-_L01_P023" (solid, pour order 23): 123.4,9.925 116.725,9.925 113.5,6.7 112.1,6.7 111.7,7.1 110.6,7.1 110.6,3.375 110.9,3.075 114.775,3.075 118.6,6.9 122.75,6.9 123.4,7.55